# Altium PCB DCAC_V2b.PcbDoc (part 2 of 7) (continued)
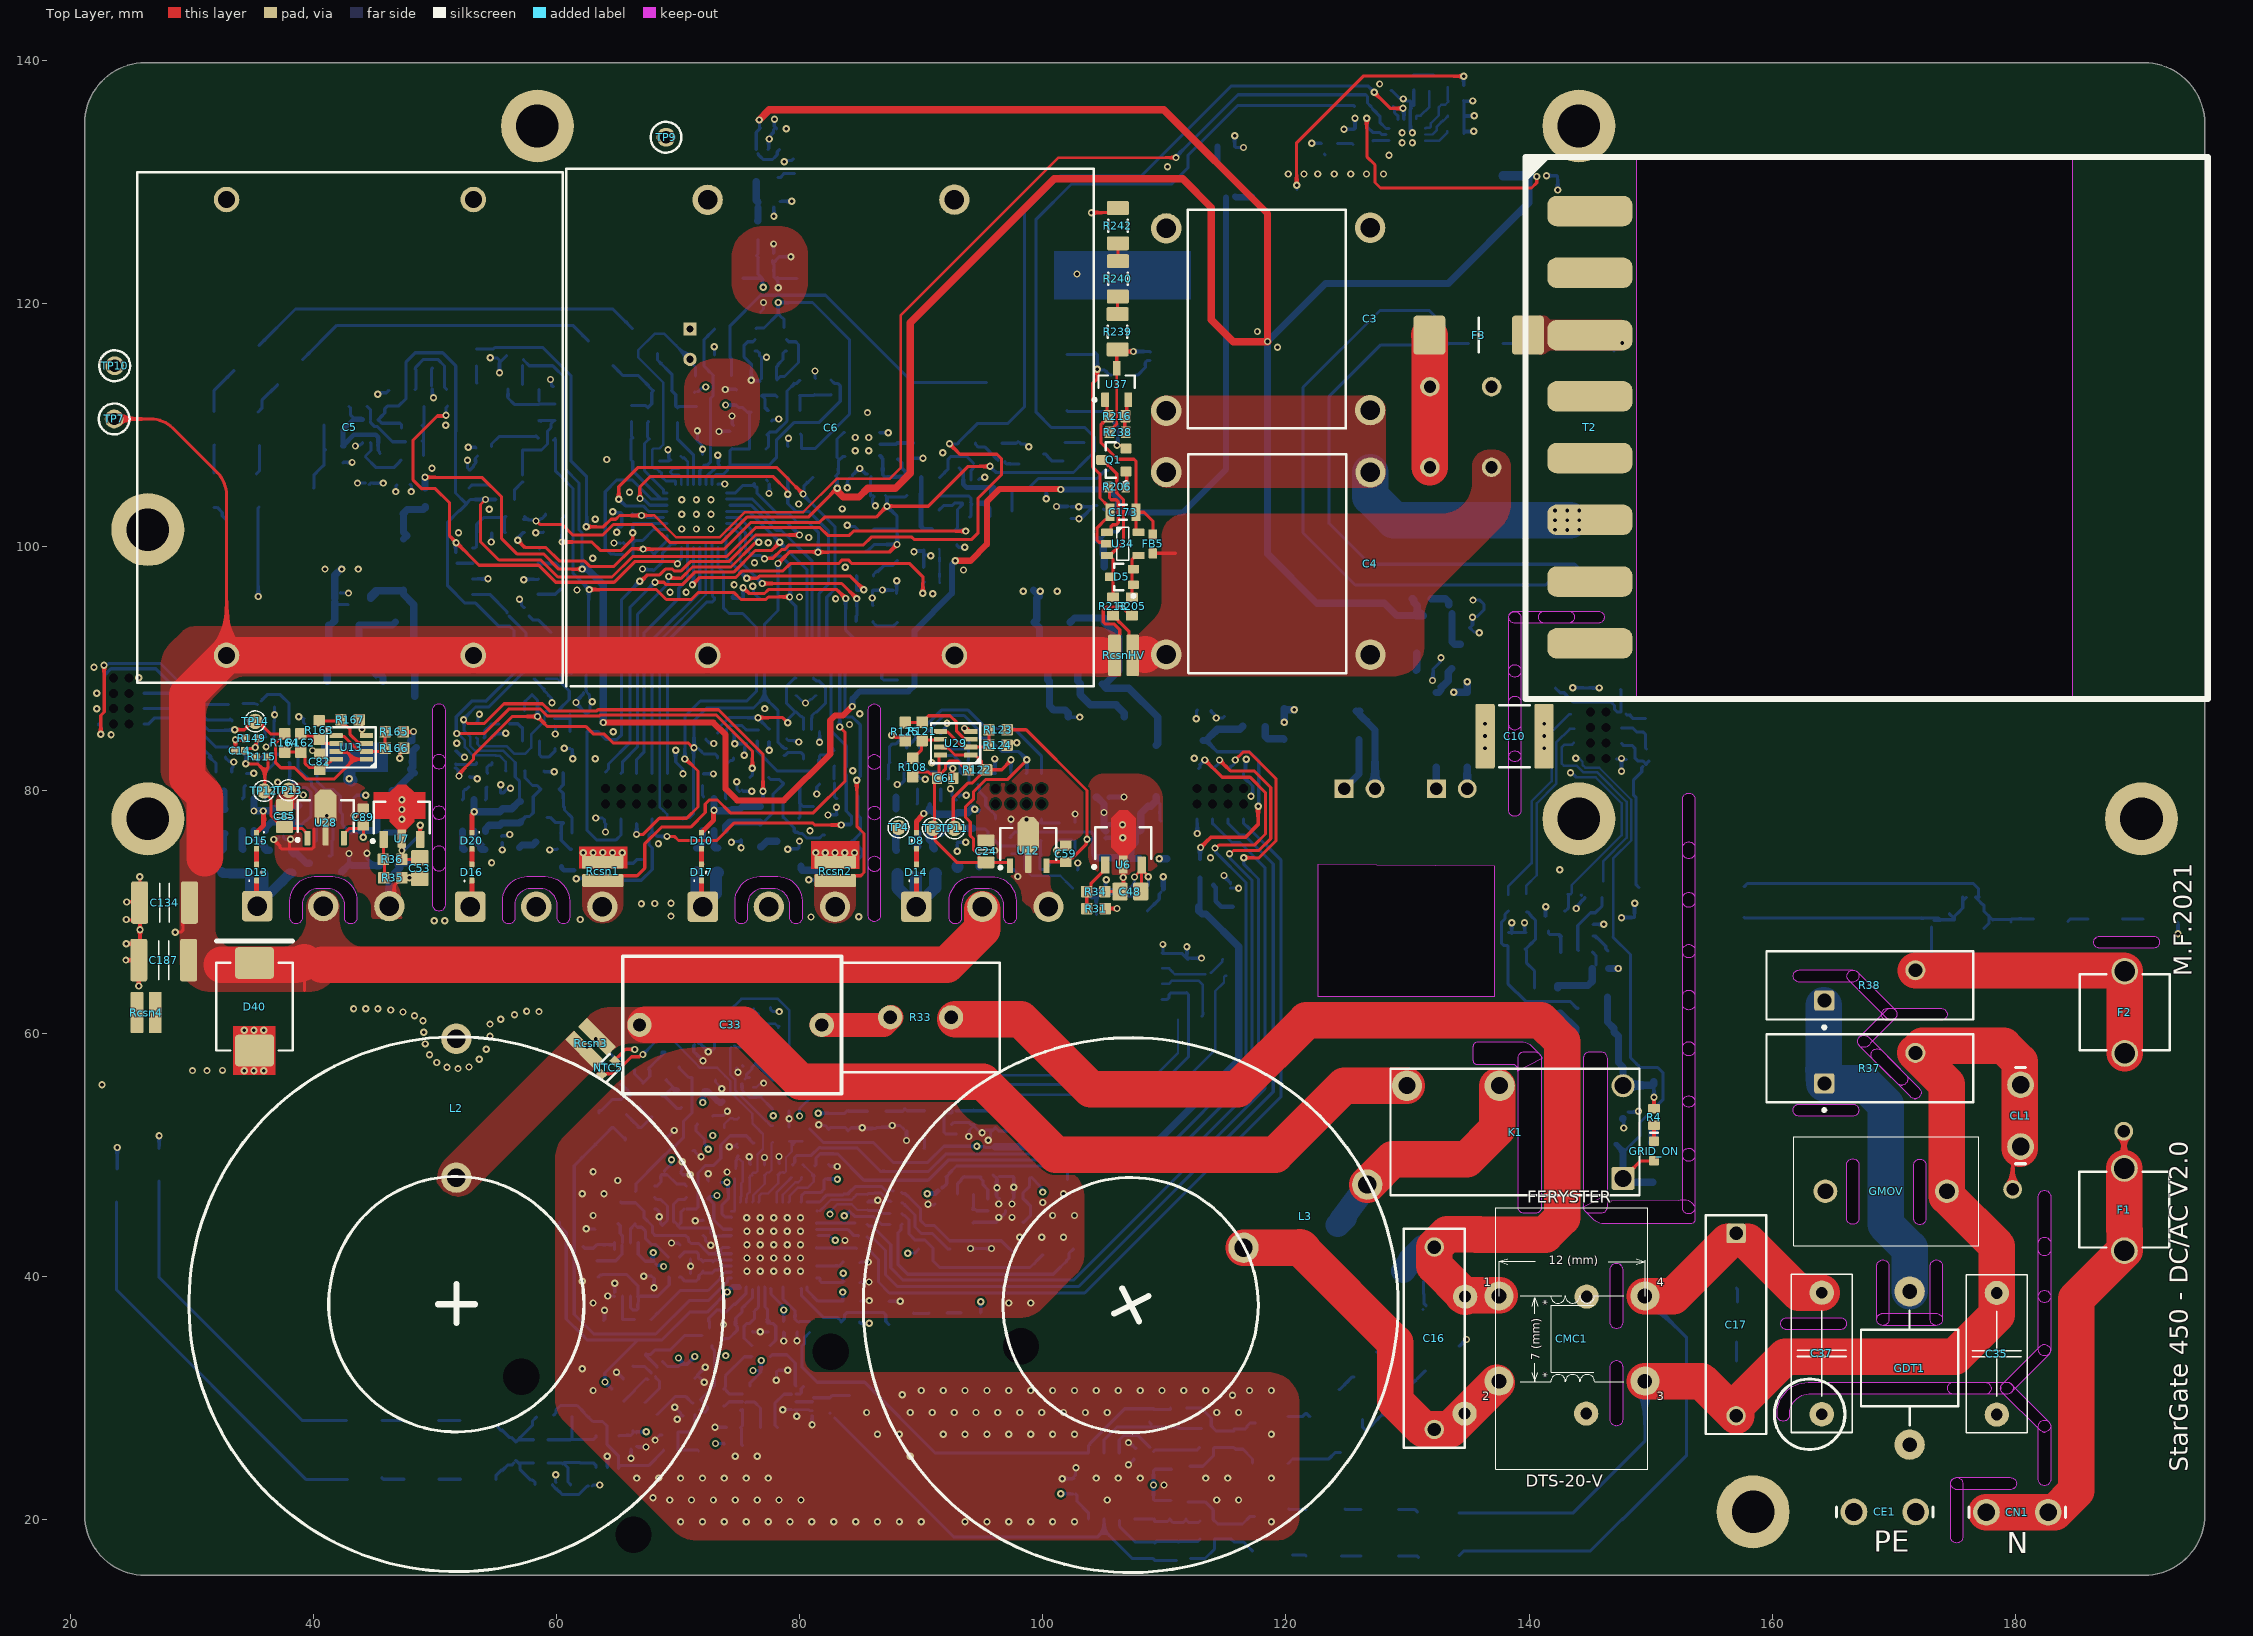
[diagram p0: Top Layer view]
## Footprints (in the part's own frame and the unit in brackets; to place one, negate y for a bottom-side part, rotate by r counter-clockwise, add the part's x,y. Pads: shape width x height; smd on the part's side, far side on the other; paste and mask are expansions set on the pad) (continued)
  round 0.37 hole 0.74 unplated: 13(3.175,-0.635) 14(3.175,0.635) 15(1.905,-0.635) 16(1.905,0.635) 17(0.635,-0.635) 18(0.635,0.635) 19(-0.635,-0.635) 20(-0.635,0.635) 21(-1.905,-0.635) 22(-1.905,0.635) 23(-3.175,-0.635) 24(-3.175,0.635)
  silkscreen extent -4.03,-2.92 4.03,1.53, body extent -4.05,-2.21 4,2.11, height 2.13
CREE-TO-247-3_V [mm] "FM, 3-Leads, Body 16.13x5.21 mm, Pitch 5.44mm"
  rrect20% 2.5x2.5 hole 1.6 paste+0: 1(-5.44,0)
  round 2.5 hole 1.6 paste+0: 2(0,0) 3(5.44,0)
  silkscreen extent -8.84,-2.33 8.06,2.88, body extent -8.06,-2.28 8.06,2.88, height 25.5
DBZ0003A_M [mm] "SOT23, 3-Leads, Body 3.04x1.4mm, Pitch 0.95mm, IPC Low Density"
  rrect15% 1.2x0.65 smd: 1(-1.3,0.95) 2(-1.3,-0.95) 3(1.3,0)
  silkscreen extent -1.42,-1.5 0.7,1.95, body extent -1.26,-1.46 1.26,1.46, height 0.96
DCK0005A_L [mm] "SOT23, 5-Leads, Body 2.15x1.4mm, Pitch 0.65mm, IPC High Density"
  rrect25% 0.65x0.4 smd: 1(-1.025,0.65) 2(-1.025,0) 3(-1.025,-0.65) 4(1.025,-0.65) 5(1.025,0.65)
  silkscreen extent -1.15,-1.1 0.3,1.52, body extent -1.14,-1 1.14,1, height 0.94
DCK0005A_M [mm] "SOT23, 5-Leads, Body 2.15x1.4mm, Pitch 0.65mm, IPC Low Density"
  rrect22% 1.05x0.45 smd: 1(-1.225,0.65) 2(-1.225,0) 3(-1.225,-0.65) 4(1.225,-0.65) 5(1.225,0.65)
  silkscreen extent -1.35,-1.1 0.3,1.55, body extent -1.14,-1 1.14,1, height 0.94
DIOD-POWERDI123-2_A_V [mm] "SOD, 2-Leads, Body 2.8x1.78mm"
  rect 0.9x1.4 smd: 1(-1.6,0)
  rect 2.2x1.4 smd: 2(0.95,0)
  silkscreen extent 2.55,-0.89 2.55,0.89, body extent -1.4,-0.89 1.4,0.89, height 1.01
DIOD-SOD-123-2_V [mm] "SOD-123, 2-Leads, Body 2.85x1.7mm (max), Pitch 3.7mm"
  rrect10% 1.2x0.7 smd: 1(-1.85,0) 2(1.85,0)
  silkscreen extent -1.43,-0.85 1.97,1.02, body extent -1.43,-0.85 1.43,0.85, height 1.45
DIOD-SOT23-3_V [mm]
  rrect15% 0.9x0.8 smd: 1(-1,0.95) 2(-1,-0.95) 3(1,0)
  silkscreen extent -1.12,-1.5 0.7,2.02, body extent -1.25,-1.5 1.25,1.5, height 1.1
DO-214AC [mm] "JEDEC DO214 variation AC. SMA"
  round 0.508 on Mech15: 0(0,0)
  rrect25% 2.2x1.5 smd: A(-2.1,0) K(2.1,0)
  silkscreen extent -2.3,-1.4 2.3,1.4, body extent -2.6,-1.3 2.6,1.3, height 2.42
DTS-20/0,47/7,0 [mm]
  round 2.4 hole 1.2: 1(0,0) 2(0,-7) 3(12,-7) 4(12,0)
  silkscreen extent -0.25,-14.25 12.25,7.25, body extent -0.51,-14.1 12.44,6.96, height 20.03
ECW-FE2W105K [mm]
  round 2.5 hole 1.6: 1(8.5,-7.5) 2(8.5,7.5)
  silkscreen extent -6.5,-9.01 6.5,9, body extent -6.5,-9 6.5,9, height 7
ETD39-K-V-16P-HORIZONTAL-SEC [mm]
  rrect60% 7x2.5 smd: 9(5.289,4.57) 10(5.289,9.647) 11(5.289,14.727) 12(5.289,19.807) 13(5.289,24.887) 14(5.289,29.92) 15(5.289,35.047) 16(5.289,40.127)
  silkscreen extent 0,0 56.13,44.57, body extent 3.6,0.23 55.8,44.73, height 27.5
FAIR-DO-214AB-2_V [mm] "Molded Diode, 2-Leads, Body 7.15x6.25mm"
  rrect20% 2.6x3.2 smd: 1(-3.6,0) 2(3.6,0)
  silkscreen extent -3.6,-3.15 5.4,3.15, body extent -3.79,-3.13 3.79,3.13, height 2.65
FAIR-SOD-523F-2_V [mm] "SMD, 2-Leads, Body 1.2x0.8mm, Height 0.7mm"
  rrect20% 0.8x0.5 smd: 1(-1,0) 2(1,0)
  silkscreen extent -0.2,-0.38 0.24,0.38, body extent -0.6,-0.4 0.6,0.4, height 0.71
FP-1_5SMC-MFG [mm]
  rrect20% 2.4x3.3 smd paste+0 mask+0: 1(-3.3,0) 2(3.3,0)
  silkscreen extent -3.56,-3.11 3.56,3.11, body extent -3.97,-2.95 3.97,2.95, height 2.62
FP-NCU18-0_15-MFG [mm]
  rrect20% 0.65x0.7 smd paste+0 mask+0: 1(-0.775,0) 2(0.775,0)
  silkscreen extent -0.87,-0.73 0.87,0.73, body extent -0.8,-0.4 0.8,0.4, height 0.95
FP-NXR_151B030-MFG [mm]
  rect 1.1x1.1 hole 0.6 paste-1000 mask+0: 1(-1.25,0)
  round 1.1 hole 0.6 paste-1000 mask+0: 2(1.25,0)
  silkscreen extent -2,-1 2,1, body extent -2,-1 2,1, height 27
FP-PowerDI123-MFG [mm]
  rrect20% 2.4x1.5 smd paste+0 mask+0: 1(0.85,0)
  rrect20% 1.05x1.5 smd paste+0 mask+0: 2(-1.525,0)
  silkscreen extent -1.5,-1.17 2.75,1.17, body extent -1.85,-0.88 1.85,0.88, height 1
FP-SOT323-5L-MFG [mm]
  rrect15% 1x0.35 smd paste+0 mask+0: 1(-0.95,0.65) 2(-0.95,0) 3(-0.95,-0.65) 4(0.95,-0.65) 5(0.95,0.65)
  silkscreen extent -2.18,-1.1 0.67,1.1, body extent -1.05,-1 1.05,1, height 1.1
FP-SOT323-IPC_B [mil]
  rrect20% 47.65x18.73 smd paste+0 mask+0: 1(-33.5,25.59)
  rrect100% 47.65x18.73 smd paste+0 mask+0: 2(-33.5,-25.59) 3(33.5,0)
  silkscreen extent -26,-42 26,42, body extent -41,-42 41,42, height 43
FP-SOT323-IPC_C [mm]
  rrect20% 0.91x0.436 smd paste+0 mask+0: 1(-0.801,0.65)
  rrect100% 0.91x0.436 smd paste+0 mask+0: 2(-0.801,-0.65) 3(0.801,0)
  silkscreen extent -0.65,-1.07 0.65,1.07, body extent -1.05,-1.08 1.05,1.07, height 1.1
FP-VLS3015CX-H-MFG [mm]
  rect 1x3 smd paste+0 mask+0: 1(-1,0) 2(1,0)
  silkscreen extent -2.2,-1.9 1.6,1.9, body extent -1.5,-1.53 1.5,1.53, height 1.5
FUSC9830X318N [mm]
  rrect20% 2.62x3.2 smd: 1(-4.05,0) 2(4.05,0)
  silkscreen extent 0,-1.43 0,1.43, body extent -4.9,-1.53 4.9,1.53, height 3.18
GMOV20D271K [mm]
  round 1.95 hole 1.3: 1(0,0) 2(10,0)
  silkscreen extent -2.62,-4.5 12.62,4.5, body extent -2.62,-4.5 12.62,4.5, height 26.1
HDR1X6 [mm] "Connector; Header; 6 Position"
  rrect20% 1x1.5 smd: 1(0,0) 2(2.54,0) 3(5.08,0) 4(7.62,0) 5(10.16,0) 6(12.7,0)
  silkscreen extent -1.27,-1.27 13.97,1.27
INF-PG-TO220-2-1 [mm] "FM, 2-Leads, Body 10x4.4mm, Pitch 5.08mm"
  round 1.6 hole 1: 1(0,2.54) 2(0,-2.54)
  silkscreen extent -1.85,-5.1 2.65,5.87, body extent -1.85,-5.1 2.65,5.1, height 19.65
INF-PG-TO247-3_V [mm] "FM, 3-Leads, Body 20.96x15.865mm, Pitch 5.44mm"
  rrect20% 2.5x2.5 hole 1.6: 1(0,5.44)
  round 2.5 hole 1.6: 2(0,0) 3(0,-5.44)
  silkscreen extent -2.49,-8.05 2.71,8.82, body extent -2.49,-8.03 2.71,8.03, height 25.57
KSTN-3517-2_V [mm] "THD, 2-Leads, Pin Spacing 6.76mm, Height 8.71mm"
  round 2.2 hole 1.7: 1(-3.38,0) 2(3.38,0)
  silkscreen extent -3.13,-3.7 3.13,3.7, body extent -3.78,-3.7 3.78,3.7, height 8.69
KSTN-5001 [mm] "Test Point, Through Hole, Dia 2.54mm"
  round 1.55 hole 1.016: 1(0,0)
  silkscreen extent -1.27,-1.27 1.27,1.27, body extent -1.25,-1.25 1.25,1.25, height 4.62
KSTN-5002 [mm] "Test Point, Through Hole, Dia 2.54mm"
  round 1.55 hole 1.016: 1(0,0)
  silkscreen extent -1.27,-1.27 1.27,1.27, body extent -1.25,-1.25 1.25,1.25, height 4.62
LDL212PUR [mm]
  rrect20% 0.6x0.45 smd: 1(-1.45,0.95) 2(-1.45,0) 3(-1.45,-0.95) 4(1.45,-0.95) 5(1.45,0) 6(1.45,0.95)
  rrect5% 1.75x2.5 smd: 7(0,0)
  silkscreen extent -2.08,-2.05 2.08,2.1, body extent -1.5,-1.5 1.5,1.5, height 0.8
LFUS-V275LA20AP [mm] "THD, 2-Leads, Body 17x5.6mm, Pitch 7.5mm"
  rrect20% 1.65x1.65 hole 1.15: 1(-3.75,-1.25)
  round 1.65 hole 1.15: 2(3.75,1.25)
  silkscreen extent -8.5,-3.57 8.5,2.8, body extent -8.5,-2.8 8.5,2.8, height 20
LTV-814S#1 [mm]
  rrect50% 1.3x1.5 smd: 1(-0.083,0.026) 2(-0.083,-2.514) 3(9.117,-2.514) 4(9.117,0.026)
  silkscreen extent 1.27,-3.54 7.77,1.06, body extent 1.27,-3.54 7.77,1.06, height 4
LTV-814S#2 [mm]
  rrect50% 1.3x1.5 smd: 1(-0.013,0.026) 2(-0.013,-2.514) 3(9.057,-2.514) 4(9.057,0.026)
  silkscreen extent 1.27,-3.54 7.77,1.06, body extent 1.27,-3.54 7.77,1.06, height 4
NXP-SOT323_M [mm] "SOT23, 3-Leads, Body 2.2x1.35mm, Pitch 0.65mm, IPC Low Density"
  rrect20% 0.85x0.5 smd: 1(-0.975,0.65) 2(-0.975,-0.65) 3(0.975,0)
  silkscreen extent -1.1,-1.1 0.67,1.57, body extent -0.67,-1.1 0.67,1.1, height 1.1
ONSC-SC70-6-419B-02_W_V [mm] "SOT23, 6-Leads, Body 2x1.25mm, Pitch 0.65mm"
  rrect20% 0.5x0.4 smd: 1(-0.95,0.65) 2(-0.95,0) 3(-0.95,-0.65) 4(0.95,-0.65) 5(0.95,0) 6(0.95,0.65)
  silkscreen extent -1.07,-1 0.3,1.52, body extent -0.63,-1 0.63,1, height 1.1
ONSC-SOD-123-2-425-04_V [mm] "SOD, 2-Leads, Body 2.69x1.6mm"
  rrect10% 0.91x1.22 smd: 1(-1.635,0) 2(1.635,0)
  silkscreen extent -1.76,-0.8 0.78,1.28, body extent -1.35,-0.8 1.35,0.8, height 1.35
ONSC-SOD-323-2-477-02_V [mm] "SOD, 2-Leads, Body 1.7x1.25mm"
  rect 0.63x0.83 smd: 1(-1.115,0) 2(1.115,0)
  silkscreen extent -1.24,-0.67 0.4,1.09, body extent -0.85,-0.63 0.85,0.63, height 1.06
ONSC-SOD-523-2-502-01_V [mm] "SOD, 2-Leads, Body 1.2x0.8mm"
  rrect20% 0.48x0.4 smd: 1(-0.66,0) 2(0.66,0)
  silkscreen extent -0.75,-0.4 0.07,0.65, body extent -0.6,-0.4 0.6,0.4, height 0.7
ONSC-SOT-23-3-318-08_V [mm] "SOT23, 3-Leads, Body 2.92x1.3mm, Pitch 0.95mm"
  rrect20% 0.9x0.8 smd: 1(-1,0.95) 2(-1,-0.95) 3(1,0)
  silkscreen extent -1.13,-1.46 0.65,2.02, body extent -0.65,-1.46 0.65,1.46, height 1.11
ONSC-SOT-323-3-419-04_V [mm] "SOT23, 3-Leads, Body 2x1.25mm, Pitch 0.65mm"
  rrect20% 0.9x0.7 smd: 1(-0.95,0.65) 2(-0.95,-0.65) 3(0.95,0)
  silkscreen extent -1.08,-1.1 0.63,1.67, body extent -0.63,-1 0.62,1, height 1
PA4340333NLT [mm]
  rect 2x1.8 smd: 1(-2.25,0) 2(2.25,0)
  silkscreen extent -3,-2.7 3,2.7, body extent -3.07,-2.7 3.07,2.7, height 3.1
PCBComponent_1 [mm]
  round 2.5 hole 1.5: 1(0,-10.414) 2(0,-21.844)
  silkscreen extent -22,-22 22,22, body extent -20.97,-21.98 20.97,21.74, height 16.8
PK0003A_N [mm] "SOT89, 3-Leads, Body 4.6x2.6mm, Pitch 1.5mm, IPC Medium Density"
  rrect14% 1.4x0.7 smd: 1(-1.8,1.5) 3(-1.8,-1.5)
  rrect17% 1.5x0.7 smd: 2(-1.75,0)
  Top Layer region: -1,0.35 -0.35,1 2.05,1 2.7,0.35 2.7,-0.35 2.05,-1 -0.35,-1 -1,-0.35 -1.2,-0.35 -1.2,0.35
  silkscreen extent -2.07,-2.3 1.3,2.52, body extent -2.19,-2.3 2.19,2.3, height 1.6
PNSC-LQ-4-2000x1000x1600_V [mm] "LQ, 4-Leads, Body 20x10mm"
  rrect20% 1.9x1.9 hole 1.4: 1(0,0)
  round 2.5 hole 1.4: 2(17.78,-7.62) 3(10.16,-7.62)
  round 1.9 hole 1.4: 4(0,-7.62)
  silkscreen extent -1.35,-9.01 19.13,1.39, body extent -1.31,-9.01 19.09,1.39, height 16.6
QFN50P300X300X80-17N-D [mm]
  rect 0.8x0.3 smd: 1(-1.5,0.75) 2(-1.5,0.25) 3(-1.5,-0.25) 4(-1.5,-0.75) 9(1.5,-0.75) 10(1.5,-0.25) 11(1.5,0.25) 12(1.5,0.75)
  rect 0.3x0.8 smd: 5(-0.75,-1.5) 6(-0.25,-1.5) 7(0.25,-1.5) 8(0.75,-1.5) 13(0.75,1.5) 14(0.25,1.5) 15(-0.25,1.5) 16(-0.75,1.5)
  rect 1.76x1.76 smd: 17(0,0)
  silkscreen extent -2.02,1.38 -1.77,1.62, body extent -1.5,-1.5 1.5,1.5, height 0.8
QFN50P500X500X60-33N-D [mm]
  rrect20% 0.85x0.25 smd: 1(-2.45,1.75) 2(-2.45,1.25) 3(-2.45,0.75) 4(-2.45,0.25) 5(-2.45,-0.25) 6(-2.45,-0.75) 7(-2.45,-1.25) 8(-2.45,-1.75) 17(2.45,-1.75) 18(2.45,-1.25) 19(2.45,-0.75) 20(2.45,-0.25) 21(2.45,0.25) 22(2.45,0.75) 23(2.45,1.25) 24(2.45,1.75)
  rrect20% 0.25x0.85 smd: 9(-1.75,-2.45) 10(-1.25,-2.45) 11(-0.75,-2.45) 12(-0.25,-2.45) 13(0.25,-2.45) 14(0.75,-2.45) 15(1.25,-2.45) 16(1.75,-2.45) 25(1.75,2.45) 26(1.25,2.45) 27(0.75,2.45) 28(0.25,2.45) 29(-0.25,2.45) 30(-0.75,2.45) 31(-1.25,2.45) 32(-1.75,2.45)
  rrect5% 3.6x3.6 smd: 33(0,0)
  silkscreen extent -3.15,-3.15 3.15,3.15, body extent -2.55,-2.55 2.55,2.55, height 0.6
QFN50P700X700X65-49N-D [mm]
  rrect20% 0.85x0.3 smd mask+0.102: 1(-3.5,2.75) 2(-3.5,2.25) 3(-3.5,1.75) 4(-3.5,1.25) 5(-3.5,0.75) 6(-3.5,0.25) 7(-3.5,-0.25) 8(-3.5,-0.75) 9(-3.5,-1.25) 10(-3.5,-1.75) 11(-3.5,-2.25) 12(-3.5,-2.75) 25(3.5,-2.75) 26(3.5,-2.25) 27(3.5,-1.75) 28(3.5,-1.25) 29(3.5,-0.75) 30(3.5,-0.25) 31(3.5,0.25) 32(3.5,0.75) 33(3.5,1.25) 34(3.5,1.75) 35(3.5,2.25) 36(3.5,2.75)
  rrect20% 0.3x0.85 smd mask+0.102: 13(-2.75,-3.5) 14(-2.25,-3.5) 15(-1.75,-3.5) 16(-1.25,-3.5) 17(-0.75,-3.5) 18(-0.25,-3.5) 19(0.25,-3.5) 20(0.75,-3.5) 21(1.25,-3.5) 22(1.75,-3.5) 23(2.25,-3.5) 24(2.75,-3.5) 37(2.75,3.5) 38(2.25,3.5) 39(1.75,3.5) 40(1.25,3.5) 41(0.75,3.5) 42(0.25,3.5) 43(-0.25,3.5) 44(-0.75,3.5) 45(-1.25,3.5) 46(-1.75,3.5) 47(-2.25,3.5) 48(-2.75,3.5)
  rrect5% 5.6x5.6 smd mask+0.102: 49(0,0)
  silkscreen extent -4.12,-4.12 4.13,4.13, body extent -3.55,-3.55 3.55,3.55, height 0.65
R533I356050P0K [mm]
  round 2 hole 1.1: 1(-7.4,0) 2(7.6,0)
  silkscreen extent -9.03,-5.65 8.97,5.65, body extent -8.42,-5 8.85,5, height 17
RESC1005X40X25ML05T05#1 [mm] "Chip Resistor, 2-Leads, Body 1.00x0.50mm, IPC Low Density"
  rrect20% 0.65x0.65 smd: 1(-0.5,0) 2(0.5,0)
  body extent -0.53,-0.27 0.53,0.28, height 0.4
RESC1005X40X25ML05T05#2 [mm]
  rrect15% 0.65x0.65 smd: 1(-0.5,0) 2(0.5,0)
  body extent -0.53,-0.28 0.53,0.28, height 0.4
RESC1005X40X25NL05T05#1 [mm] "Chip Resistor, 2-Leads, Body 1.00x0.50mm, IPC Medium Density"
  rrect20% 0.55x0.55 smd: 1(-0.45,0) 2(0.45,0)
  body extent -0.53,-0.27 0.53,0.28, height 0.4
RESC1005X40X25NL05T05#2 [mm]
  rrect15% 0.55x0.55 smd: 1(-0.45,0) 2(0.45,0)
  body extent -0.53,-0.27 0.53,0.28, height 0.4
RESC1005X40X25NL05T10 [mm]
  rrect15% 0.6x0.55 smd: 1(-0.425,0) 2(0.425,0)
  body extent -0.53,-0.27 0.53,0.28, height 0.4
RESC1206(3216)_N [mm] "Chip Resistor, Body 3.2x1.6mm, IPC Medium Density"
  rrect20% 1.15x1.8 smd: 1(-1.45,0) 2(1.45,0)
  silkscreen extent -0.5,-0.8 0.5,0.8, body extent -1.67,-0.87 1.67,0.87, height 0.75
RESC1608X55N [mm] "Chip Resistor, Body 1.6x0.8mm, EIA 0603, IPC Medium Density"
  round 0.254 on Mech15: 0(0,0)
  rrect25% 0.9x1 smd: 1(-0.85,0) 2(0.85,0)
  Top Layer pour cut-out: -0.6,0.5 -0.4,0.7 0.4,0.7 0.6,0.5 0.6,-0.5 0.4,-0.7 -0.4,-0.7 -0.6,-0.5
  silkscreen extent -0.15,-0.41 0.15,0.41, body extent -0.87,-0.47 0.88,0.48, height 0.54
RESC1608X55X25LL10T15#1 [mm] "Chip Resistor, 2-Leads, Body 1.60x0.80mm, IPC High Density"
  rect 0.6x0.8 smd: 1(-0.65,0) 2(0.65,0)
  body extent -0.85,-0.45 0.85,0.45, height 0.55
RESC1608X55X25LL10T15#2 [mm] "Chip Resistor, 2-Leads, Body 1.70x0.90mm, IPC High Density"
  rrect20% 0.6x0.8 smd: 1(-0.65,0) 2(0.65,0)
  body extent -0.85,-0.45 0.85,0.45, height 0.55
RESC1608X55X25ML10T15 [mm] "Chip Resistor, 2-Leads, Body 1.60x0.80mm, IPC Low Density"
  rrect20% 0.8x1 smd: 1(-0.75,0) 2(0.75,0)
  body extent -0.85,-0.45 0.85,0.45, height 0.55
RESC1608X55X25NL10T15#1 [mm]
  rrect15% 0.7x0.9 smd: 1(-0.7,0) 2(0.7,0)
  body extent -0.85,-0.45 0.85,0.45, height 0.55
RESC1608X55X25NL10T15#2 [mm] "Chip Resistor, 2-Leads, Body 1.60x0.80mm, IPC Medium Density"
  rrect20% 0.7x0.9 smd: 1(-0.7,0) 2(0.7,0)
  body extent -0.85,-0.45 0.85,0.45, height 0.55
RESC1608X55X25NL10T15#3 [mm] "Chip Resistor, 2-Leads, Body 1.70x0.90mm, IPC Medium Density"
  rect 0.7x0.9 smd: 1(-0.7,0) 2(0.7,0)
  body extent -0.85,-0.45 0.85,0.45, height 0.55
RESC1608X55X30LL15T15 [mm] "Chip Resistor, 2-Leads, Body 1.60x0.80mm, IPC High Density"
  rect 0.7x0.85 smd: 1(-0.625,0) 2(0.625,0)
  body extent -0.87,-0.48 0.87,0.48, height 0.55
RESC1608X55X30LL20T20 [mm] "Chip Resistor, 2-Leads, Body 1.60x0.80mm, IPC High Density"
  rrect20% 0.8x0.9 smd: 1(-0.6,0) 2(0.6,0)
  body extent -0.9,-0.5 0.9,0.5, height 0.55
RESC1608X55X30ML20T20 [mm] "Chip Resistor, 2-Leads, Body 1.60x0.80mm, IPC Low Density"
  rrect20% 1x1.1 smd: 1(-0.7,0) 2(0.7,0)
  body extent -0.9,-0.5 0.9,0.5, height 0.55
RESC1608X55X30NL15T15#1 [mm]
  rrect15% 0.8x0.95 smd: 1(-0.675,0) 2(0.675,0)
  body extent -0.87,-0.48 0.87,0.48, height 0.55
RESC1608X55X30NL15T15#2 [mm] "Chip Resistor, 2-Leads, Body 1.60x0.80mm, IPC Medium Density"
  rrect20% 0.8x0.95 smd: 1(-0.675,0) 2(0.675,0)
  body extent -0.87,-0.48 0.87,0.48, height 0.55
RESC1608X55X30NL15T15#3 [mm] "Chip Resistor, 2-Leads, Body 1.60x0.80mm, IPC Medium Density"
  rrect10% 0.8x0.95 smd: 1(-0.675,0) 2(0.675,0)
  body extent -0.88,-0.48 0.87,0.48, height 0.55
RESC1608X55X30NL15T15#4 [mm] "Chip Resistor, 2-Leads, Body 1.60x0.80mm, IPC Medium Density"
  rect 0.8x0.95 smd: 1(-0.675,0) 2(0.675,0)
  body extent -0.87,-0.48 0.87,0.48, height 0.55
RESC1608X55X30NL15T15#5 [mm] "Chip Resistor, 2-Leads, Body 1.60x0.80mm, IPC Medium Density"
  rrect20% 0.8x0.95 smd: 1(-0.725,0) 2(0.725,0)
  body extent -0.87,-0.48 0.88,0.48, height 0.55
RESC1608X55X30NL15T15#6 [mm]
  rrect15% 0.8x0.95 smd: 1(-0.71,0) 2(0.75,0)
  body extent -0.87,-0.48 0.87,0.48, height 0.55
RESC1608X55X30NL20T10 [mm]
  rrect15% 0.8x1 smd: 1(-0.7,0) 2(0.7,0)
  body extent -0.9,-0.5 0.9,0.5, height 0.55
RESC1608X55X30NL20T20#1 [mm]
  rrect15% 0.9x1 smd: 1(-0.65,0) 2(0.65,0)
  body extent -0.9,-0.5 0.9,0.5, height 0.55
RESC1608X55X30NL20T20#2 [mm] "Chip Resistor, 2-Leads, Body 1.60x0.80mm, IPC Medium Density"
  rrect20% 0.9x1 smd: 1(-0.65,0) 2(0.65,0)
  body extent -0.9,-0.5 0.9,0.5, height 0.55
RESC1609X50X30ML10T20 [mm] "Chip Resistor, 2-Leads, Body 1.55x0.85mm, IPC Low Density"
  rect 0.9x1.05 smd: 1(-0.675,0) 2(0.675,0)
  body extent -0.82,-0.48 0.82,0.48, height 0.5
RESC1609X50X30NL8T20 [mm] "Chip Resistor, 2-Leads, Body 1.65x0.95mm, IPC Medium Density"
  rrect10% 0.8x0.95 smd: 1(-0.65,0) 2(0.65,0)
  body extent -0.82,-0.48 0.83,0.47, height 0.5
RESC1609X50X30NL10T20 [mm]
  rrect15% 0.8x0.95 smd: 1(-0.625,0) 2(0.625,0)
  body extent -0.82,-0.48 0.82,0.48, height 0.5
RESC1609X55X30NL15T15#1 [mm]
  rrect15% 0.95x0.95 smd: 1(-0.75,0) 2(0.75,0)
  body extent -0.87,-0.48 0.87,0.48, height 0.55
RESC1609X55X30NL15T15#2 [mm] "Chip Resistor, 2-Leads, Body 1.75x0.95mm, IPC Medium Density"
  rrect20% 0.95x0.95 smd: 1(-0.75,0) 2(0.75,0)
  body extent -0.87,-0.47 0.88,0.48, height 0.55
RESC1632X80N [mm]
  rrect20% 1.05x3.4 smd: 1(-0.75,0) 2(0.75,0)
  body extent -0.8,-1.6 0.8,1.6, height 0.8
RESC2012X70N [mm] "Chip Resistor, Body 2.0x1.2mm, EIA 0805, IPC Medium Density"
  round 0.254 on Mech15: 0(0,0)
  rrect25% 0.8x1.3 smd: 1(-1,0) 2(1,0)
  Top Layer pour cut-out: -0.725,0.65 -0.525,0.85 0.525,0.85 0.725,0.65 0.725,-0.65 0.525,-0.85 -0.525,-0.85 -0.725,-0.65
  silkscreen extent -0.38,-0.64 0.38,0.64, body extent -1.1,-0.67 1.1,0.68, height 0.69
RESC2013X70X40LL20T20 [mm] "Chip Resistor, 2-Leads, Body 2.00x1.25mm, IPC High Density"
  rect 0.95x1.35 smd: 1(-0.775,0) 2(0.775,0)
  body extent -1.1,-0.72 1.1,0.72, height 0.7
RESC3116X65X50ML20T20 [mm] "Chip Resistor, 2-Leads, Body 3.10x1.60mm, IPC Low Density"
  rrect20% 1.45x1.9 smd: 1(-1.475,0) 2(1.475,0)
  silkscreen extent -0.35,-0.85 0.35,0.85, body extent -1.65,-0.9 1.65,0.9, height 0.65
RESC3216X70X40ML20T20 [mm]
  rrect15% 1.35x1.9 smd: 1(-1.575,0) 2(1.575,0)
  silkscreen extent -0.5,-0.85 0.5,0.85, body extent -1.7,-0.9 1.7,0.9, height 0.7
RESC3216X70X50NL05T20#1 [mm] "Chip Resistor, 2-Leads, Body 3.20x1.60mm, IPC Medium Density"
  rrect10% 1.1x1.65 smd: 1(-1.425,0) 2(1.425,0)
  silkscreen extent -0.5,-0.73 0.5,0.73, body extent -1.63,-0.83 1.62,0.83, height 0.7
RESC3216X70X50NL05T20#2 [mm] "Chip Resistor, 2-Leads, Body 3.20x1.60mm, IPC Medium Density"
  rrect20% 1.1x1.65 smd: 1(-1.425,0) 2(1.425,0)
  silkscreen extent -0.5,-0.73 0.5,0.73, body extent -1.63,-0.82 1.62,0.82, height 0.7
SMD-0603#1 [mm] "Chip Inductor, 2-Leads, Body 1.6x0.8mm"
  rrect20% 0.85x0.7 smd: 1(-0.775,0) 2(0.775,0)
  body extent -0.8,-0.4 0.8,0.4, height 0.79
SMD-0603#2 [mm] "Chip Inductor, 2-Leads, Body 1.6x0.8mm"
  rect 0.85x0.7 smd: 1(-0.775,0) 2(0.775,0)
  body extent -0.8,-0.4 0.8,0.4, height 0.79
SMD-0603#3 [mm]
  rrect15% 0.85x0.7 smd: 1(-0.775,0) 2(0.775,0)
  body extent -0.8,-0.4 0.8,0.4, height 0.79
SMTC-TSW-102-08-X-S-RA [mm] ".025 SQ Post Terminal Strip Assembly, 1x2 Pins, Right Angle, 2.54mm Pitch, Male"
  rect 1.55x1.55 hole 1.02: 1(0,0)
  round 1.55 hole 1.02: 2(2.54,0)
  silkscreen extent -1.46,1.52 4,4.06, body extent -1.27,-0.32 3.81,9.9, height 3.05
SOD323 [mm] "SOD-323; 2 Leads; Body 1.8 x 1.35 mm, (LxW)"
  round 0.508 on Mech15: 0(0,0)
  rrect25% 0.6x0.7 smd: A(1.25,0) K(-1.25,0)
  silkscreen extent -1.2,-0.9 0.64,0.75, body extent -1.3,-0.68 1.3,0.67, height 1.1
SOIC127P600X175-8AN [mm] "SOIC, 8-Leads, Body 4.9x3.9mm, Pitch 1.27mm, IPC Medium Density"